# Altium PCB miniBackplane.PcbDoc (part 14 of 24)
Units mil, origin at the board's own origin, x right, y up, seen from the top; angles counter-clockwise.
Board outline 17285.63 x 8582.68 mil, 6 copper layers (Top Layer, Mid-Layer 1, GND, PWR, Mid-Layer 2, Bottom Layer), stack 62.362 mil thick; 519 components, 474 nets, 2434 pads, 1493 vias.
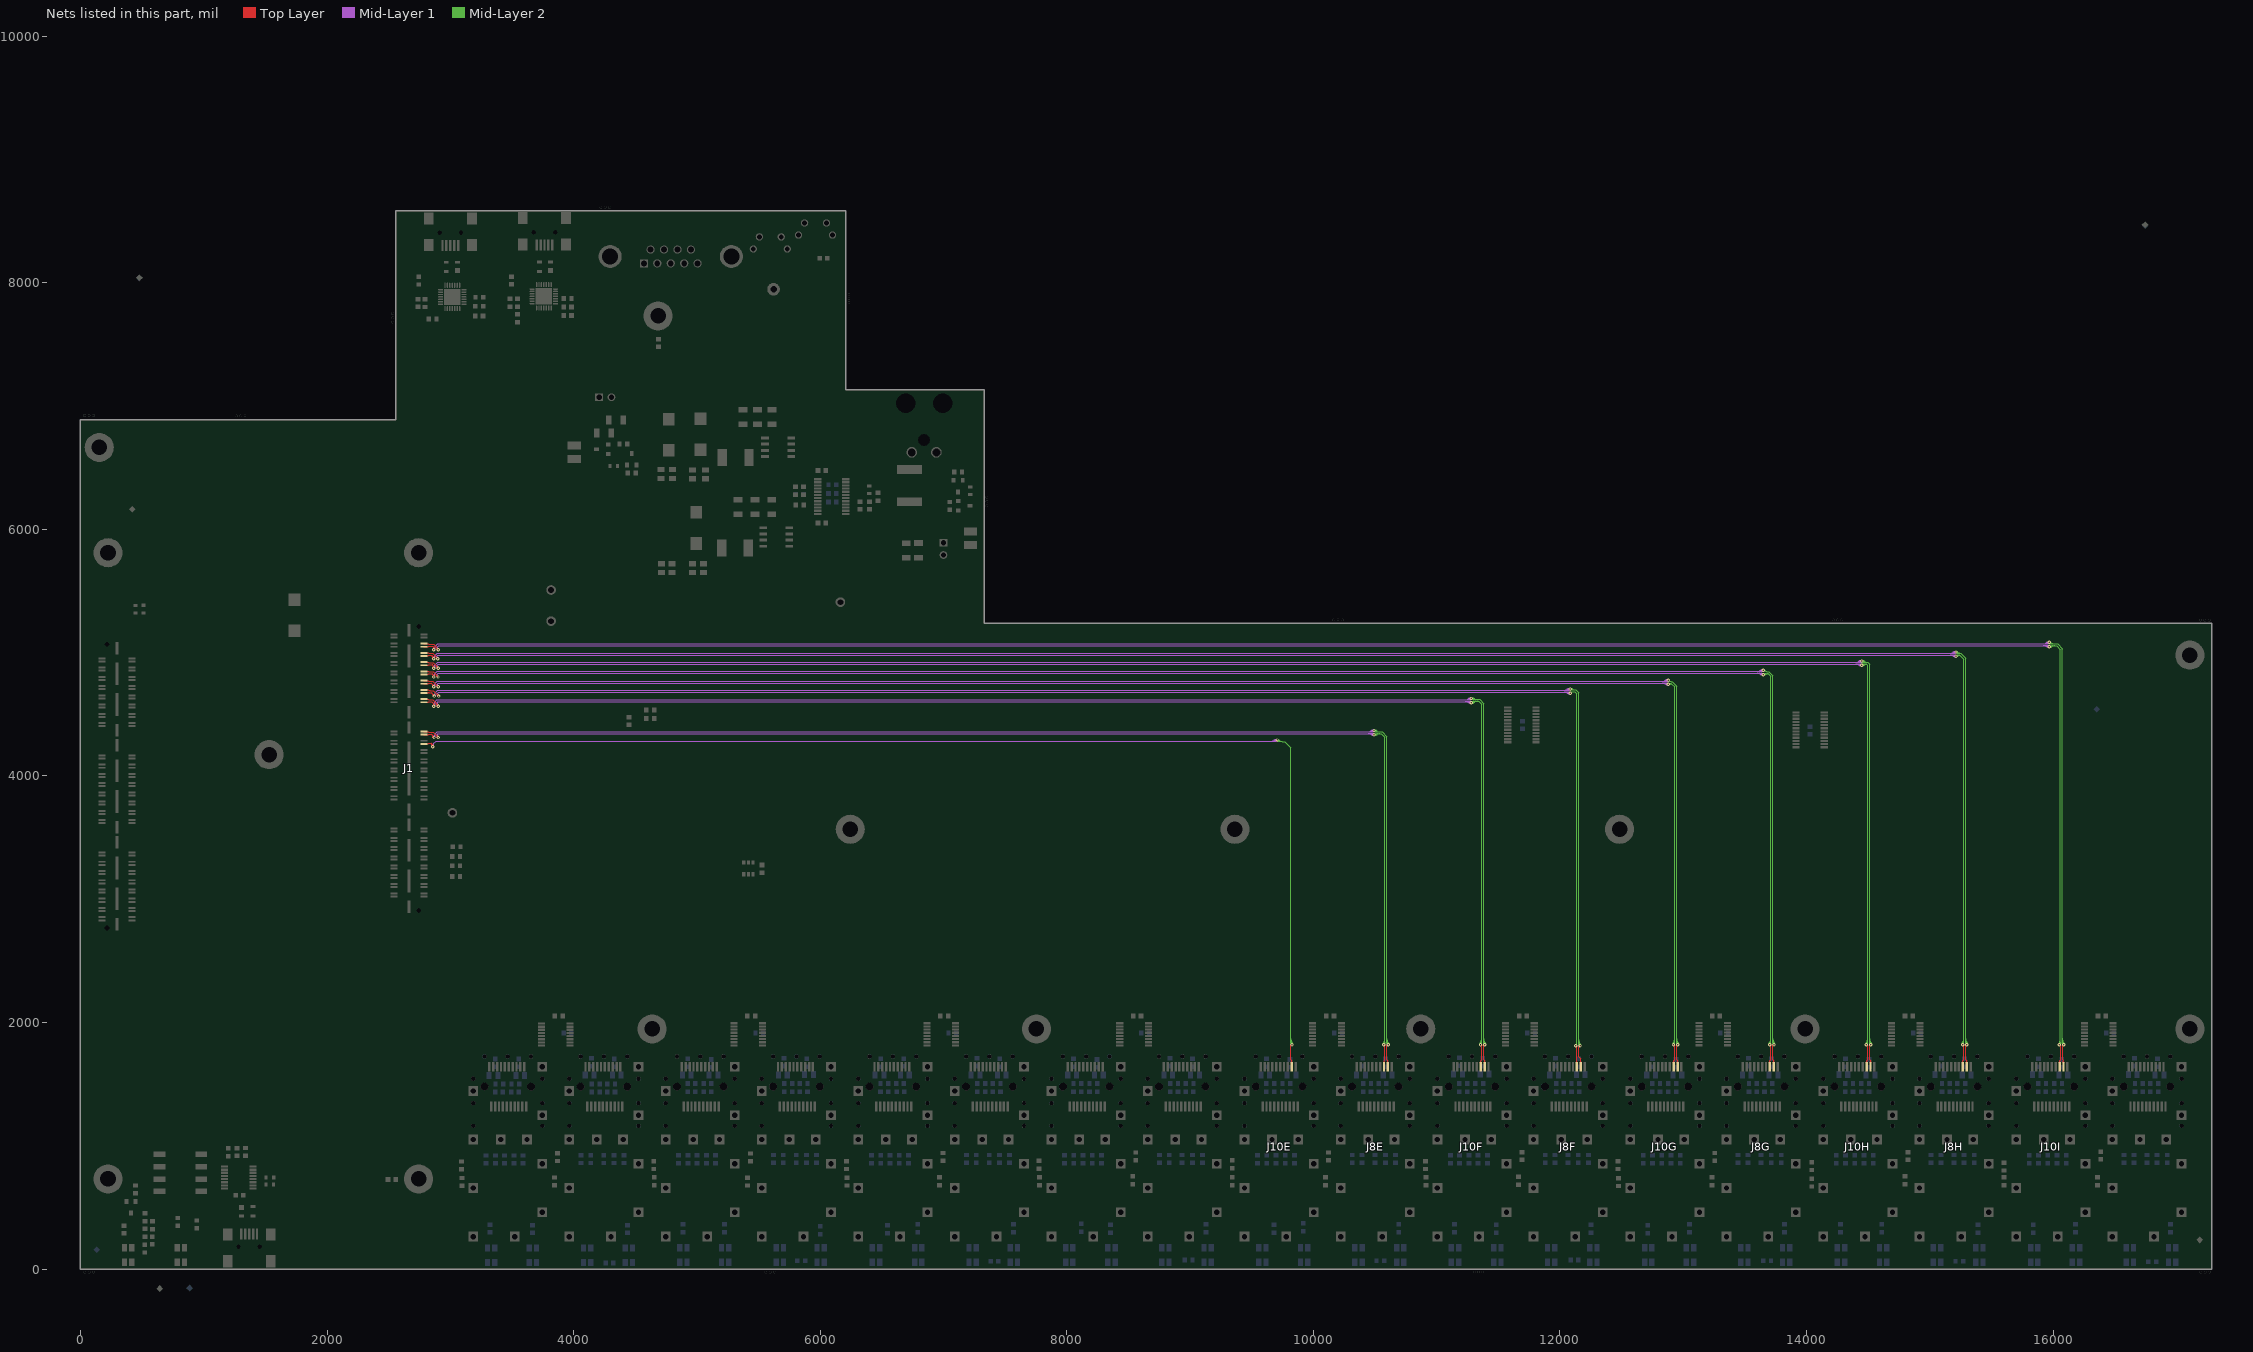
[diagram p18: the nets of this part, all layers, seen from the top]

## Via types
v1: diameter 27.56, hole 11.81, Top Layer to Bottom Layer, tented both sides, 1347 vias
v2: diameter 23.62, hole 11.81, Top Layer to Bottom Layer, tented both sides, 146 vias

## Nets (pads, with @x,y where several pads share a name; then routed paths per layer and width w, separated by ;. In a path a pad name is that pad's centre, name@x,y a point inside that pad or via, vN(x,y) a via of type N, cw(c..) or ccw(c..) an arc to the next point about the centre after c; other vN are vias at no path point) (continued)
MGTRX112_1_N: J1.7 J10I.12 | length 17578.7
  Top Layer w9.84: J1.7@2786.05,5047.49 2820.71,5047.49 2825.33,5052.12 2831.86,5052.12 2831.9,5052.17 2857.28,5052.17 2867.13,5042.32 ; v1(2867.13,5023.62) 2867.13,5042.32 ; J10I.12@16084.45,1673.24 16084.45,1690.56 16076.57,1698.43 16076.57,1810.72 ; v1(16086.42,1820.56) 16076.57,1810.72 ; 2867.13,5042.32 ccw(c2882.43,5042.32) 2872.74,5030.48 cw(c2882.43,5042.32) 2867.13,5042.32 ; 2867.13,5042.32 cw(c2851.82,5042.32) 2861.51,5030.48 ccw(c2851.82,5042.32) 2867.13,5042.32 ; 16076.58,1810.72 ccw(c16071.97,1815.32) 16078.09,1817.54 cw(c16071.97,1815.32) 16076.58,1810.72 ; 16076.58,1810.72 cw(c16081.18,1806.12) 16083.4,1812.23 ccw(c16081.18,1806.12) 16076.58,1810.72 ; 16084.45,1682.63 ccw(c16096.33,1682.63) 16087.93,1674.23 cw(c16096.33,1682.63) 16084.45,1682.63 ; 16084.45,1682.63 cw(c16072.57,1682.63) 16080.97,1674.23 ccw(c16072.57,1682.63) 16084.45,1682.63
  Mid-Layer 1 w7.09: v1(2867.13,5023.62) 2876.97,5033.46 2876.97,5051.19 ; 15941.28,5077.74 cw(c15950.2,5062.37) v1@15962.44,5075.26 ; 15949.46,5082.49 cw(c15956.99,5069.52) v1@15967.32,5080.39 ; 15950.31,5075.12 cw(c15956.34,5064.68) v1@15963.45,5074.41 ; 15952.93,5076.63 ccw(c15945.76,5089.03) v1@15959.6,5085.33 ; v1(15969.49,5082.68) 15969.49,5079.72 15962.6,5072.83 2898.61,5072.83 2876.97,5051.19 ; 2876.97,5051.19 cw(c2858.24,5051.19) 2863.99,5033.36 ccw(c2858.24,5051.19) 2876.97,5051.19 ; v1@2866.16,5026.62 ccw(c2861.37,5041.46) 2876.97,5041.46 cw(c2861.37,5041.46) v1@2866.16,5026.62 ; 15921.01,5072.83 ccw(c15921.01,5131.15) 15962.25,5089.92 cw(c15921.01,5131.15) 15921.01,5072.83 ; 15938.12,5072.83 ccw(c15938.12,5114.04) 15967.26,5084.9 cw(c15938.12,5114.04) 15938.12,5072.83 ; 15955.23,5072.83 ccw(c15955.23,5096.93) 15972.27,5079.89 cw(c15955.23,5096.93) 15955.23,5072.83
  Mid-Layer 2 w7.09: v1@15969.49,5072.83 16000,5072.83 ; v1@16075.92,1828.23 16075.92,5031 ; 16076.57,5030.34 16075.92,5031 ; v1@16077.86,1826.18 ccw(c16066.26,1833.8) 16078.28,1840.74 ; v1@16078.75,1826.05 16078.75,1828.23 v1(16086.42,1820.56) ; v1@16078.9,1827.5 ccw(c16065.69,1839.69) 16081.15,1848.87 ; 16080.37,1837.12 ccw(c16092.77,1844.28) v1@16089.07,1830.45 ; v1@16084.1,1822.7 ccw(c16072.98,1832.97) 16086,1840.69 ; 16000,5072.83 cw(c16000,5095.82) 15978.89,5086.73 ccw(c16000,5095.82) 16000,5072.83 ; 16000,5072.83 16001.97,5070.87 16036.05,5070.87 16075.92,5031 ; v1@15972.38,5083.92 ccw(c15989.23,5091.18) 15989.23,5072.83 cw(c15989.23,5091.18) v1@15972.38,5083.92 ; 16075.92,1836.39 ccw(c16102.25,1836.39) 16083.63,1817.78 cw(c16102.25,1836.39) 16075.92,1836.39 ; 16075.92,1853.5 ccw(c16119.36,1853.5) 16088.64,1822.79 cw(c16119.36,1853.5) 16075.92,1853.5 ; 16075.92,1870.61 ccw(c16136.47,1870.61) 16093.66,1827.8 cw(c16136.47,1870.61) 16075.92,1870.61
MGTRX112_1_P: J1.5 J10I.13 | length 17628.6
  Top Layer w9.84: J1.5@2786.05,5072.49 2820.71,5072.49 2825.33,5067.87 2825.38,5067.91 2863.81,5067.91 2902.56,5029.16 v1(2902.56,5023.62) ; 2890.34,5036.15 ccw(c2909.81,5041.37) v1@2902.19,5022.71 ; v1(16050.98,1820.56) 16060.83,1810.72 ; J10I.13@16052.95,1673.24 16052.95,1690.56 16060.83,1698.43 16060.83,1810.72 ; 16052.95,1682.63 ccw(c16064.83,1682.63) 16056.43,1674.23 cw(c16064.83,1682.63) 16052.95,1682.63 ; 16052.95,1682.63 cw(c16041.07,1682.63) 16049.47,1674.23 ccw(c16041.07,1682.63) 16052.95,1682.63 ; 16060.83,1810.72 ccw(c16056.23,1806.12) 16054.01,1812.23 cw(c16056.23,1806.12) 16060.83,1810.72 ; 16060.83,1810.72 cw(c16065.43,1815.32) 16059.31,1817.54 ccw(c16065.43,1815.32) 16060.83,1810.72 ; 2883.52,5048.2 cw(c2858.94,5023.62) 2893.7,5023.62 ccw(c2858.94,5023.62) 2883.52,5048.2
  Mid-Layer 1 w7.09: v1(2902.56,5023.62) 2892.72,5033.46 2892.72,5044.67 ; 15941.28,5052.19 ccw(c15950.2,5067.55) v1@15962.44,5054.67 ; 15949.46,5047.43 ccw(c15956.99,5060.4) v1@15967.32,5049.53 ; 15950.31,5054.8 ccw(c15956.34,5065.25) v1@15963.45,5055.51 ; 15952.93,5053.29 cw(c15945.76,5040.89) v1@15959.6,5044.59 ; v1(15969.49,5047.24) 15969.49,5050.2 15962.6,5057.09 2905.13,5057.09 2892.72,5044.67 ; 2892.72,5044.67 ccw(c2903.55,5044.67) 2903.04,5033.85 cw(c2903.55,5044.67) 2892.72,5044.67 ; 2892.72,5037.24 ccw(c2903.2,5037.24) 2902.71,5026.77 cw(c2903.2,5037.24) 2892.72,5037.24 ; 15921.01,5057.09 cw(c15921.01,4998.77) 15962.25,5040.01 ccw(c15921.01,4998.77) 15921.01,5057.09 ; 15938.12,5057.09 cw(c15938.12,5015.88) 15967.26,5045.02 ccw(c15938.12,5015.88) 15938.12,5057.09 ; 15955.23,5057.09 cw(c15955.23,5032.99) 15972.27,5050.03 ccw(c15955.23,5032.99) 15955.23,5057.09
  Mid-Layer 2 w7.09: v1(15969.49,5047.24) 15977.36,5055.12 16029.53,5055.12 16060.17,5024.47 16060.17,1829.75 v1(16050.98,1820.56) ; v1@15971.93,5049.24 ccw(c15981.51,5057.06) 15987.7,5046.34 ; v1@15976.89,5054.32 ccw(c15982.07,5059.27) 15985.65,5053.06 ccw(c15992.27,5041.6) v1@15979.42,5044.78 ; v1@15977.42,5053.71 ccw(c15988.05,5062.39) 15994.91,5050.51 ; v1@16048.33,1830.45 ccw(c16044.63,1844.28) 16057.03,1837.12 ; 16050.83,1840.07 ccw(c16063.16,1832.96) v1@16053.19,1822.81 ; 16055.41,1848 ccw(c16069.77,1839.7) v1@16058.15,1827.86 ; 16057.97,1838.74 ccw(c16066.92,1833.57) v1@16058.91,1827.03 ; v1@15971.72,5045.02 cw(c15996.1,5020.63) 15996.1,5055.12 ccw(c15996.1,5020.63) v1@15971.72,5045.02 ; v1@15976.73,5040.01 cw(c16013.21,5003.52) 16013.21,5055.12 ccw(c16013.21,5003.52) v1@15976.73,5040.01 ; v1@16043.75,1827.8 ccw(c16004.09,1867.46) 16060.17,1867.46 cw(c16004.09,1867.46) v1@16043.75,1827.8 ; v1@16048.76,1822.79 ccw(c16021.2,1850.35) 16060.17,1850.35 cw(c16021.2,1850.35) v1@16048.76,1822.79 ; v1@16053.77,1817.78 ccw(c16038.3,1833.24) 16060.17,1833.24 cw(c16038.3,1833.24) v1@16053.77,1817.78
MGTRX112_2_N: J1.11 J8H.12 | length 16807.9
  Top Layer w9.84: J1.11@2786.05,4972.49 2820.71,4972.49 2825.33,4977.12 2848.43,4977.12 ; 2855.4,4967 ccw(c2882.23,4967.32) v1@2863.49,4948.11 ; v1(2864.17,4948.82) 2864.17,4961.37 2848.43,4977.12 ; J8H.12@15299.45,1669.3 15299.45,1690.56 15291.57,1698.43 15291.57,1810.72 ; v1(15301.42,1820.56) 15291.57,1810.72 ; 2848.43,4977.12 cw(c2829.08,4957.77) 2855.59,4951.01 ccw(c2829.08,4957.77) 2848.43,4977.12 ; 15291.58,1810.72 ccw(c15286.97,1815.32) 15293.09,1817.54 cw(c15286.97,1815.32) 15291.58,1810.72 ; 15291.58,1810.72 cw(c15296.18,1806.12) 15298.4,1812.23 ccw(c15296.18,1806.12) 15291.58,1810.72 ; 15299.45,1682.63 ccw(c15311.33,1682.63) 15302.93,1674.23 cw(c15311.33,1682.63) 15299.45,1682.63 ; 15299.45,1682.63 cw(c15287.57,1682.63) 15295.97,1674.23 ccw(c15287.57,1682.63) 15299.45,1682.63 ; 2860.65,4964.89 cw(c2848.56,4952.8) 2865.13,4948.58 ccw(c2848.56,4952.8) 2860.65,4964.89
  Mid-Layer 1 w7.09: v1(2864.17,4948.82) 2874.02,4958.66 2874.02,4976.39 ; 15184.39,4999.98 cw(c15193.31,4984.62) v1@15205.55,4997.5 ; 15192.57,5004.73 cw(c15200.1,4991.76) v1@15210.43,5002.64 ; 15193.42,4997.36 cw(c15199.45,4986.92) v1@15206.56,4996.66 ; 15196.04,4998.87 ccw(c15188.87,5011.28) v1@15202.71,5007.57 ; v1(15212.6,5004.92) 15202.76,4995.08 2892.7,4995.08 2874.02,4976.39 ; 2874.02,4976.39 cw(c2855.28,4976.39) 2861.03,4958.56 ccw(c2855.28,4976.39) 2874.02,4976.39 ; v1@2863.21,4951.82 ccw(c2858.42,4966.66) 2874.02,4966.66 cw(c2858.42,4966.66) v1@2863.21,4951.82 ; 15164.12,4995.08 ccw(c15164.12,5053.4) 15205.36,5012.16 cw(c15164.12,5053.4) 15164.12,4995.08 ; 15181.23,4995.08 ccw(c15181.23,5036.29) 15210.37,5007.15 cw(c15181.23,5036.29) 15181.23,4995.08 ; 15198.34,4995.08 ccw(c15198.34,5019.18) 15215.38,5002.14 cw(c15198.34,5019.18) 15198.34,4995.08
  Mid-Layer 2 w7.09: v1@15218.5,4995.08 15249.63,4995.08 ; v1@15293.15,1826.6 ccw(c15283.42,1833.71) 15293.86,1839.74 ; v1@15294,1827.61 ccw(c15281.11,1839.84) 15296.48,1848.77 ; 15295.37,1837.12 ccw(c15307.77,1844.28) v1@15304.07,1830.45 ; v1@15299.13,1822.73 ccw(c15288.26,1833.05) 15301.23,1840.59 ; v1(15301.42,1820.56) 15291.57,1830.4 15291.57,4953.14 15249.63,4995.08 ; 15249.63,4995.08 cw(c15249.63,5029.03) 15221.18,5010.51 ccw(c15249.63,5029.03) 15249.63,4995.08 ; v1@15209.3,5002.77 ccw(c15223.49,5012.01) 15223.49,4995.08 cw(c15223.49,5012.01) v1@15209.3,5002.77 ; v1@15215.24,5006.64 ccw(c15236.56,5020.52) 15236.56,4995.08 cw(c15236.56,5020.52) v1@15215.24,5006.64 ; 15291.57,1834.82 ccw(c15315.67,1834.82) 15298.63,1817.78 cw(c15315.67,1834.82) 15291.57,1834.82 ; 15291.57,1851.92 ccw(c15332.78,1851.92) 15303.64,1822.79 cw(c15332.78,1851.92) 15291.57,1851.92 ; 15291.57,1869.03 ccw(c15349.89,1869.03) 15308.66,1827.8 cw(c15349.89,1869.03) 15291.57,1869.03
MGTRX112_2_P: J1.9 J8H.13 | length 16696.5
  Top Layer w9.84: J1.9@2786.05,4997.49 2820.71,4997.49 2825.33,4992.87 2856.32,4992.87 2899.61,4949.58 v1(2899.61,4948.82) ; 2888.06,4958.84 ccw(c2902.9,4962.81) v1@2899.38,4947.86 ; 2890.38,4960.15 cw(c2886.75,4946.6) v1@2900.58,4948.99 ; v1(15265.98,1820.56) 15275.83,1810.72 ; J8H.13@15267.95,1673.24 15267.95,1690.56 15275.83,1698.43 15275.83,1810.72 ; 15267.95,1682.63 ccw(c15279.83,1682.63) 15271.43,1674.23 cw(c15279.83,1682.63) 15267.95,1682.63 ; 15267.95,1682.63 cw(c15256.07,1682.63) 15264.47,1674.23 ccw(c15256.07,1682.63) 15267.95,1682.63 ; 15275.83,1810.72 ccw(c15271.23,1806.12) 15269.01,1812.23 cw(c15271.23,1806.12) 15275.83,1810.72 ; 15275.83,1810.72 cw(c15280.43,1815.32) 15274.31,1817.54 ccw(c15280.43,1815.32) 15275.83,1810.72 ; 2883.95,4965.23 cw(c2867.53,4948.82) 2890.75,4948.82 ccw(c2867.53,4948.82) 2883.95,4965.23 ; 2885.78,4963.41 ccw(c2899.61,4977.23) 2899.61,4957.68 cw(c2899.61,4977.23) 2885.78,4963.41
  Mid-Layer 1 w7.09: v1(2899.61,4948.82) 2889.76,4958.66 2889.76,4969.87 ; 15184.39,4974.43 ccw(c15193.31,4989.79) v1@15205.55,4976.91 ; 15192.57,4969.68 ccw(c15200.1,4982.65) v1@15210.43,4971.77 ; 15193.42,4977.05 ccw(c15199.45,4987.49) v1@15206.56,4977.75 ; 15196.04,4975.54 cw(c15188.87,4963.13) v1@15202.71,4966.84 ; v1(15212.6,4969.49) 15202.76,4979.33 2899.23,4979.33 2889.76,4969.87 ; 2889.76,4969.87 ccw(c2900.6,4969.87) 2900.09,4959.04 cw(c2900.6,4969.87) 2889.76,4969.87 ; 2889.76,4962.44 ccw(c2900.25,4962.44) 2899.75,4951.97 cw(c2900.25,4962.44) 2889.76,4962.44 ; 15164.12,4979.33 cw(c15164.12,4921.01) 15205.36,4962.25 ccw(c15164.12,4921.01) 15164.12,4979.33 ; 15181.23,4979.33 cw(c15181.23,4938.12) 15210.37,4967.26 ccw(c15181.23,4938.12) 15181.23,4979.33 ; 15198.34,4979.33 cw(c15198.34,4955.23) 15215.38,4972.27 ccw(c15198.34,4955.23) 15198.34,4979.33
  Mid-Layer 2 w7.09: v1@15218.5,4979.33 15243.11,4979.33 ; v1@15263.33,1830.45 ccw(c15259.63,1844.28) 15272.03,1837.12 ; v1(15265.98,1820.56) 15275.83,1830.4 15275.83,4946.61 15243.11,4979.33 ; 15266.17,1840.59 ccw(c15279.14,1833.05) v1@15268.27,1822.73 ; 15270.93,1848.77 ccw(c15286.29,1839.84) v1@15273.41,1827.61 ; 15273.54,1839.74 ccw(c15283.99,1833.71) v1@15274.25,1826.6 ; 15243.11,4979.33 ccw(c15243.11,4956.35) 15222,4965.44 cw(c15243.11,4956.35) 15243.11,4979.33 ; v1@15215.49,4968.24 cw(c15232.34,4960.98) 15232.34,4979.33 ccw(c15232.34,4960.98) v1@15215.49,4968.24 ; v1@15258.75,1827.8 ccw(c15217.51,1869.03) 15275.83,1869.03 cw(c15217.51,1869.03) v1@15258.75,1827.8 ; v1@15263.76,1822.79 ccw(c15234.62,1851.92) 15275.83,1851.92 cw(c15234.62,1851.92) v1@15263.76,1822.79 ; v1@15268.77,1817.78 ccw(c15251.73,1834.82) 15275.83,1834.82 cw(c15251.73,1834.82) v1@15268.77,1817.78
MGTRX112_3_N: J1.15 J10H.12 | length 16129.5
  Top Layer w9.84: J1.15@2786.05,4897.49 2820.71,4897.49 2825.33,4902.12 2855.32,4902.12 ; v1(2866.14,4873.03) 2866.14,4891.29 ; J10H.12@14519.45,1673.24 14519.45,1690.56 14511.57,1698.43 14511.57,1810.72 ; v1(14521.42,1820.56) 14511.57,1810.72 ; 2855.32,4902.12 cw(c2840.95,4887.75) 2858.49,4877.5 ccw(c2840.95,4887.75) 2855.32,4902.12 ; 2855.32,4902.12 2866.14,4891.29 ; 2866.14,4891.29 ccw(c2880.53,4891.29) 2871.62,4879.99 cw(c2880.53,4891.29) 2866.14,4891.29 ; 2866.14,4891.29 cw(c2851.75,4891.29) 2860.66,4879.99 ccw(c2851.75,4891.29) 2866.14,4891.29 ; 14511.58,1810.72 ccw(c14506.97,1815.32) 14513.09,1817.54 cw(c14506.97,1815.32) 14511.58,1810.72 ; 14511.58,1810.72 cw(c14516.18,1806.12) 14518.4,1812.23 ccw(c14516.18,1806.12) 14511.58,1810.72 ; 14519.45,1682.63 ccw(c14531.33,1682.63) 14522.93,1674.23 cw(c14531.33,1682.63) 14519.45,1682.63 ; 14519.45,1682.63 cw(c14507.57,1682.63) 14515.97,1674.23 ccw(c14507.57,1682.63) 14519.45,1682.63 ; 2864.34,4893.1 cw(c2852.34,4881.1) 2866.99,4872.54 ccw(c2852.34,4881.1) 2864.34,4893.1
  Mid-Layer 1 w7.09: v1(2866.14,4873.03) 2875.98,4882.87 2875.98,4900.6 ; 14419.63,4927.15 cw(c14428.55,4911.78) v1@14440.79,4924.66 ; 14427.81,4931.9 cw(c14435.34,4918.93) v1@14445.67,4929.8 ; 14428.66,4924.53 cw(c14434.68,4914.09) v1@14441.8,4923.82 ; 14431.27,4926.04 ccw(c14424.11,4938.44) v1@14437.95,4934.74 ; v1(14447.83,4932.09) 14437.99,4922.24 2897.63,4922.24 2875.98,4900.6 ; 2875.98,4900.6 cw(c2857.25,4900.6) 2863,4882.77 ccw(c2857.25,4900.6) 2875.98,4900.6 ; v1@2865.18,4876.03 ccw(c2860.39,4890.87) 2875.98,4890.87 cw(c2860.39,4890.87) v1@2865.18,4876.03 ; 14399.36,4922.24 ccw(c14399.36,4980.56) 14440.6,4939.32 cw(c14399.36,4980.56) 14399.36,4922.24 ; 14416.47,4922.24 ccw(c14416.47,4963.45) 14445.61,4934.31 cw(c14416.47,4963.45) 14416.47,4922.24 ; 14433.58,4922.24 ccw(c14433.58,4946.34) 14450.62,4929.3 cw(c14433.58,4946.34) 14433.58,4922.24
  Mid-Layer 2 w7.09: v1@14449.92,4929.73 cw(c14460,4918.31) 14467.99,4931.27 ; v1@14450.79,4921.26 14496.68,4921.26 ; v1@14453.51,4923.57 cw(c14460.47,4913.1) 14467.07,4923.8 ; v1@14454.61,4924.41 cw(c14466.61,4910.82) 14476.13,4926.26 ; v1@14457.79,4934.45 ccw(c14471.73,4937.76) 14464.22,4925.56 ; v1@14513.15,1826.6 ccw(c14503.42,1833.71) 14513.86,1839.74 ; v1@14514,1827.61 ccw(c14501.11,1839.84) 14516.48,1848.77 ; 14515.37,1837.12 ccw(c14527.77,1844.28) v1@14524.07,1830.45 ; v1@14519.13,1822.73 ccw(c14508.26,1833.05) 14521.23,1840.59 ; v1(14521.42,1820.56) 14511.57,1830.4 14511.57,4906.37 14496.68,4921.26 ; 14496.68,4921.26 cw(c14496.68,4978.19) 14455.28,4939.11 ccw(c14496.68,4978.19) 14496.68,4921.26 ; v1@14444.97,4929.38 ccw(c14463.81,4947.17) 14463.81,4921.26 cw(c14463.81,4947.17) v1@14444.97,4929.38 ; v1@14450.13,4934.25 ccw(c14480.25,4962.68) 14480.25,4921.26 cw(c14480.25,4962.68) v1@14450.13,4934.25 ; 14511.57,1834.82 ccw(c14535.67,1834.82) 14518.63,1817.78 cw(c14535.67,1834.82) 14511.57,1834.82 ; 14511.57,1851.92 ccw(c14552.78,1851.92) 14523.64,1822.79 cw(c14552.78,1851.92) 14511.57,1851.92 ; 14511.57,1869.03 ccw(c14569.89,1869.03) 14528.66,1827.8 cw(c14569.89,1869.03) 14511.57,1869.03
MGTRX112_3_P: J1.13 J10H.13 | length 15958.7
  Top Layer w9.84: J1.13@2786.05,4922.49 2820.71,4922.49 2825.33,4917.87 2861.84,4917.87 2901.57,4878.13 v1(2901.57,4873.03) ; 2889.42,4885.33 ccw(c2908.43,4890.42) v1@2901.21,4872.12 ; v1(14485.98,1820.56) 14495.83,1810.72 ; J10H.13@14487.95,1673.24 14487.95,1690.56 14495.83,1698.43 14495.83,1810.72 ; 14487.95,1682.63 ccw(c14499.83,1682.63) 14491.43,1674.23 cw(c14499.83,1682.63) 14487.95,1682.63 ; 14487.95,1682.63 cw(c14476.07,1682.63) 14484.47,1674.23 ccw(c14476.07,1682.63) 14487.95,1682.63 ; 14495.83,1810.72 ccw(c14491.23,1806.12) 14489.01,1812.23 cw(c14491.23,1806.12) 14495.83,1810.72 ; 14495.83,1810.72 cw(c14500.43,1815.32) 14494.31,1817.54 ccw(c14500.43,1815.32) 14495.83,1810.72 ; 2882.85,4896.86 cw(c2859.02,4873.03) 2892.72,4873.03 ccw(c2859.02,4873.03) 2882.85,4896.86
  Mid-Layer 1 w7.09: v1(2901.57,4873.03) 2891.73,4882.87 2891.73,4894.08 ; 14419.63,4901.59 ccw(c14428.55,4916.96) v1@14440.79,4904.08 ; 14427.81,4896.84 ccw(c14435.34,4909.81) v1@14445.67,4898.94 ; 14428.66,4904.21 ccw(c14434.68,4914.65) v1@14441.8,4904.92 ; 14431.27,4902.7 cw(c14424.11,4890.3) v1@14437.95,4894 ; v1(14447.83,4896.65) 14437.99,4906.5 2904.15,4906.5 2891.73,4894.08 ; 2891.73,4894.08 ccw(c2902.57,4894.08) 2902.06,4883.26 cw(c2902.57,4894.08) 2891.73,4894.08 ; 2891.73,4886.65 ccw(c2902.22,4886.65) 2901.72,4876.18 cw(c2902.22,4886.65) 2891.73,4886.65 ; 14399.36,4906.5 cw(c14399.36,4848.18) 14440.6,4889.42 ccw(c14399.36,4848.18) 14399.36,4906.5 ; 14416.47,4906.5 cw(c14416.47,4865.29) 14445.61,4894.43 ccw(c14416.47,4865.29) 14416.47,4906.5 ; 14433.58,4906.5 cw(c14433.58,4882.4) 14450.62,4899.44 ccw(c14433.58,4882.4) 14433.58,4906.5
  Mid-Layer 2 w7.09: v1@14450.26,4898.67 ccw(c14459.06,4905.98) 14465.39,4896.44 ; v1@14450.79,4905.51 14490.16,4905.51 ; v1@14455.05,4903.91 ccw(c14459.55,4908.43) 14463.08,4903.12 ccw(c14469.59,4893.31) v1@14457.95,4895.1 ; v1@14455.71,4903.19 ccw(c14465.17,4911.04) 14471.97,4900.8 ; v1@14483.33,1830.45 ccw(c14479.63,1844.28) 14492.03,1837.12 ; v1(14485.98,1820.56) 14495.83,1830.4 14495.83,4899.84 14490.16,4905.51 ; 14486.17,1840.59 ccw(c14499.14,1833.05) v1@14488.27,1822.73 ; 14490.93,1848.77 ccw(c14506.29,1839.84) v1@14493.41,1827.61 ; 14493.54,1839.74 ccw(c14503.99,1833.71) v1@14494.25,1826.6 ; 14490.16,4905.51 ccw(c14490.16,4859.3) 14455.51,4889.88 cw(c14490.16,4859.3) 14490.16,4905.51 ; v1@14444.88,4899.26 cw(c14458.74,4887.03) 14458.74,4905.51 ccw(c14458.74,4887.03) v1@14444.88,4899.26 ; v1@14450.2,4894.57 cw(c14474.45,4873.16) 14474.45,4905.51 ccw(c14474.45,4873.16) v1@14450.2,4894.57 ; v1@14478.75,1827.8 ccw(c14437.51,1869.03) 14495.83,1869.03 cw(c14437.51,1869.03) v1@14478.75,1827.8 ; v1@14483.76,1822.79 ccw(c14454.62,1851.92) 14495.83,1851.92 cw(c14454.62,1851.92) v1@14483.76,1822.79 ; v1@14488.77,1817.78 ccw(c14471.73,1834.82) 14495.83,1834.82 cw(c14471.73,1834.82) v1@14488.77,1817.78
MGTRX113_0_N: J1.19 J8G.12 | length 15004.8
  Top Layer w9.84: J1.19@2786.05,4822.49 2820.71,4822.49 2825.33,4827.12 2855.32,4827.12 ; v1(2865.16,4802.17) 2865.16,4817.28 ; J8G.12@13734.45,1669.3 13734.45,1690.56 13726.57,1698.43 13726.57,1810.72 ; v1(13736.42,1820.56) 13726.57,1810.72 ; 2855.32,4827.12 cw(c2843.72,4815.52) 2857.64,4806.85 ccw(c2843.72,4815.52) 2855.32,4827.12 ; 2855.32,4827.12 2865.16,4817.28 ; 2865.16,4817.28 ccw(c2873.61,4817.28) 2869.48,4809.9 cw(c2873.61,4817.28) 2865.16,4817.28 ; 2865.16,4817.28 cw(c2856.7,4817.28) 2860.83,4809.9 ccw(c2856.7,4817.28) 2865.16,4817.28 ; 13726.58,1810.72 ccw(c13721.97,1815.32) 13728.09,1817.54 cw(c13721.97,1815.32) 13726.58,1810.72 ; 13726.58,1810.72 cw(c13731.18,1806.12) 13733.4,1812.23 ccw(c13731.18,1806.12) 13726.58,1810.72 ; 13734.45,1682.63 ccw(c13746.33,1682.63) 13737.93,1674.23 cw(c13746.33,1682.63) 13734.45,1682.63 ; 13734.45,1682.63 cw(c13722.57,1682.63) 13730.97,1674.23 ccw(c13722.57,1682.63) 13734.45,1682.63 ; 2864.08,4818.36 cw(c2854.52,4808.79) 2865.99,4801.64 ccw(c2854.52,4808.79) 2864.08,4818.36
  Mid-Layer 1 w7.09: v1(2865.16,4802.17) 2875,4812.01 2875,4828.37 ; 13620.41,4852.34 cw(c13629.34,4836.98) v1@13641.57,4849.86 ; 13628.6,4857.09 cw(c13636.13,4844.13) v1@13646.45,4855 ; 13629.44,4849.72 cw(c13635.47,4839.28) v1@13642.58,4849.02 ; 13632.06,4851.23 ccw(c13624.9,4863.64) v1@13638.73,4859.93 ; v1(13648.62,4857.28) 13638.78,4847.44 2894.07,4847.44 2875,4828.37 ; 2875,4828.37 cw(c2858.09,4828.37) 2862.49,4812.05 ccw(c2858.09,4828.37) 2875,4828.37 ; v1@2864.34,4805.21 ccw(c2860.59,4819.12) 2875,4819.12 cw(c2860.59,4819.12) v1@2864.34,4805.21 ; 13600.15,4847.44 ccw(c13600.15,4905.76) 13641.38,4864.52 cw(c13600.15,4905.76) 13600.15,4847.44 ; 13617.26,4847.44 ccw(c13617.26,4888.65) 13646.4,4859.51 cw(c13617.26,4888.65) 13617.26,4847.44 ; 13634.36,4847.44 ccw(c13634.36,4871.54) 13651.41,4854.5 cw(c13634.36,4871.54) 13634.36,4847.44
  Mid-Layer 2 w7.09: v1@13656.5,4859.25 13668.31,4847.44 ; v1@13728.15,1826.6 ccw(c13718.42,1833.71) 13728.86,1839.74 ; v1@13729,1827.61 ccw(c13716.11,1839.84) 13731.48,1848.77 ; 13730.37,1837.12 ccw(c13742.77,1844.28) v1@13739.07,1830.45 ; v1@13734.13,1822.73 ccw(c13723.26,1833.05) 13736.23,1840.59 ; v1(13736.42,1820.56) 13726.57,1830.4 13726.57,4813.41 13695.5,4844.49 13676.18,4844.49 13673.23,4847.44 13668.31,4847.44 ; 13668.31,4847.44 ccw(c13660.5,4839.64) 13654.34,4848.79 cw(c13660.5,4839.64) 13668.31,4847.44 ; v1@13650.38,4854.67 cw(c13655.61,4846.91) 13662.22,4853.53 ccw(c13655.61,4846.91) v1@13650.38,4854.67 ; 13726.57,1834.82 ccw(c13750.67,1834.82) 13733.63,1817.78 cw(c13750.67,1834.82) 13726.57,1834.82 ; 13726.57,1851.92 ccw(c13767.78,1851.92) 13738.64,1822.79 cw(c13767.78,1851.92) 13726.57,1851.92 ; 13726.57,1869.03 ccw(c13784.89,1869.03) 13743.66,1827.8 cw(c13784.89,1869.03) 13726.57,1869.03
MGTRX113_0_P: J1.17 J8G.13 | length 14998.3
  Top Layer w9.84: J1.17@2786.05,4847.49 2820.71,4847.49 2825.33,4842.87 2861.84,4842.87 2900.59,4804.11 v1(2900.59,4802.17) ; 2888.88,4812.81 ccw(c2904.79,4817.07) v1@2900.32,4801.22 ; v1(13700.98,1820.56) 13710.83,1810.72 ; J8G.13@13702.95,1669.3 13702.95,1690.56 13710.83,1698.43 13710.83,1810.72 ; 13702.95,1682.63 ccw(c13714.83,1682.63) 13706.43,1674.23 cw(c13714.83,1682.63) 13702.95,1682.63 ; 13702.95,1682.63 cw(c13691.07,1682.63) 13699.47,1674.23 ccw(c13691.07,1682.63) 13702.95,1682.63 ; 13710.83,1810.72 ccw(c13706.23,1806.12) 13704.01,1812.23 cw(c13706.23,1806.12) 13710.83,1810.72 ; 13710.83,1810.72 cw(c13715.43,1815.32) 13709.31,1817.54 ccw(c13715.43,1815.32) 13710.83,1810.72 ; 2884.09,4820.61 cw(c2865.64,4802.17) 2891.73,4802.17 ccw(c2865.64,4802.17) 2884.09,4820.61 ; 2888.79,4815.91 ccw(c2900.59,4827.71) 2900.59,4811.02 cw(c2900.59,4827.71) 2888.79,4815.91